# Allegro board FPGA-FINAL.brd
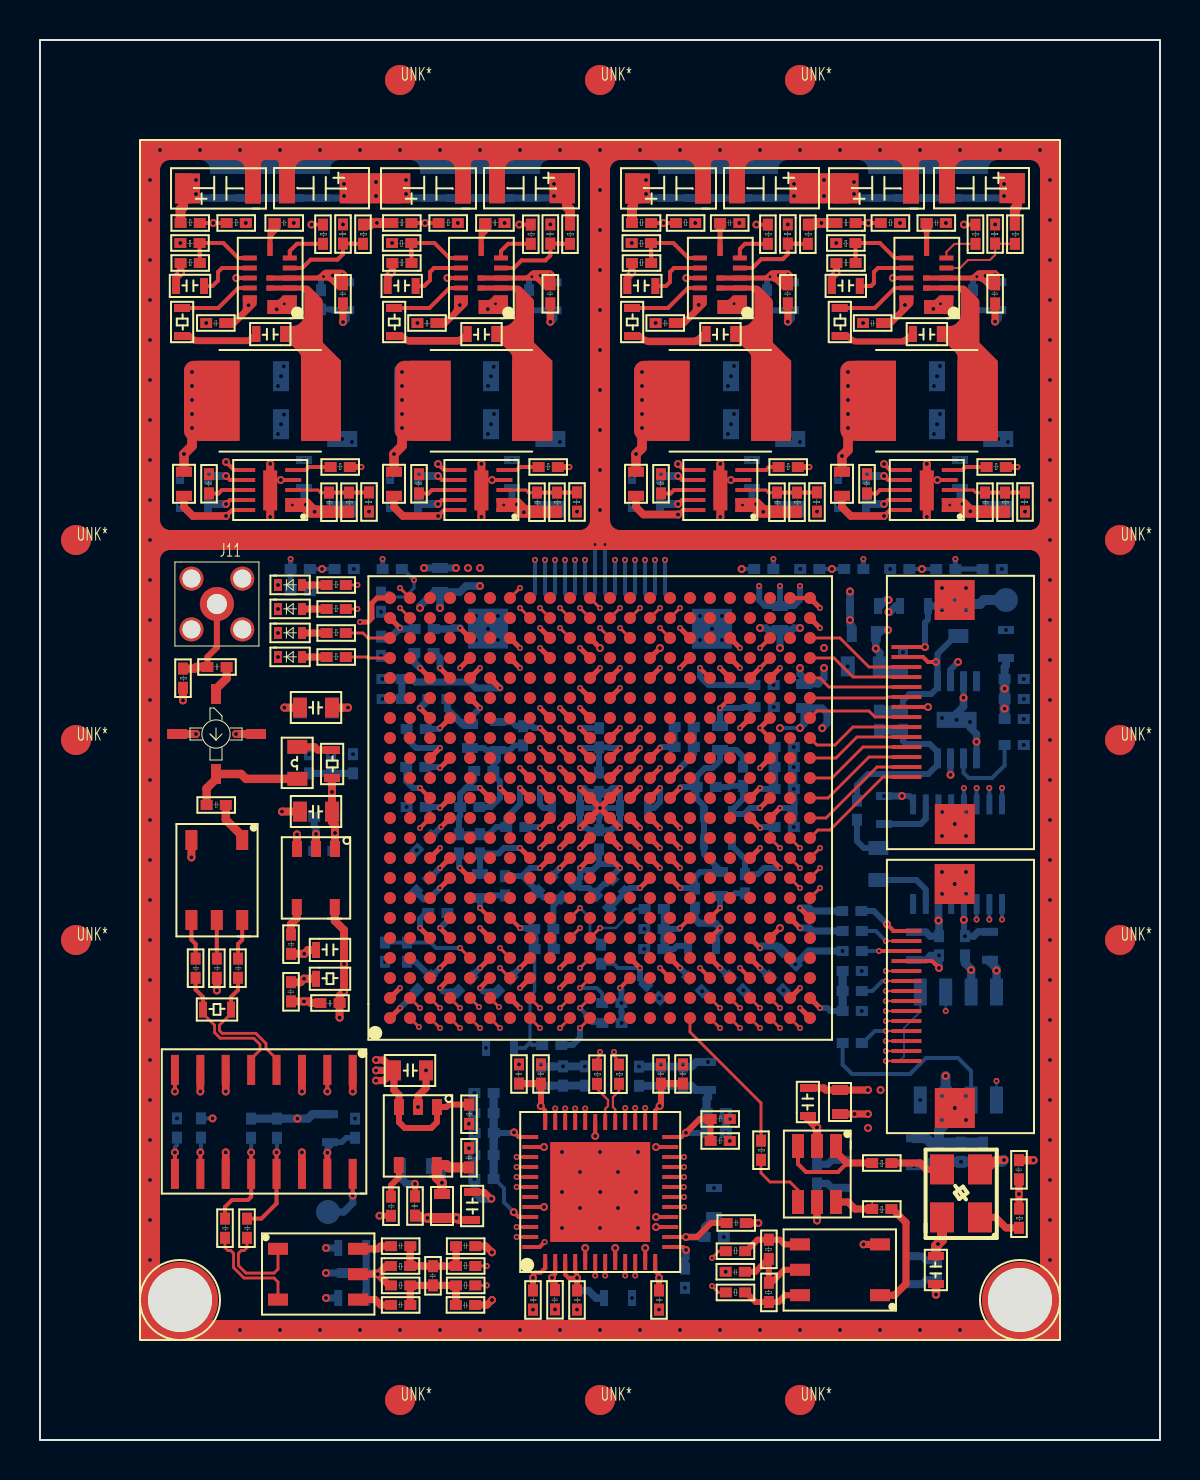
[diagram p0: board, top side]
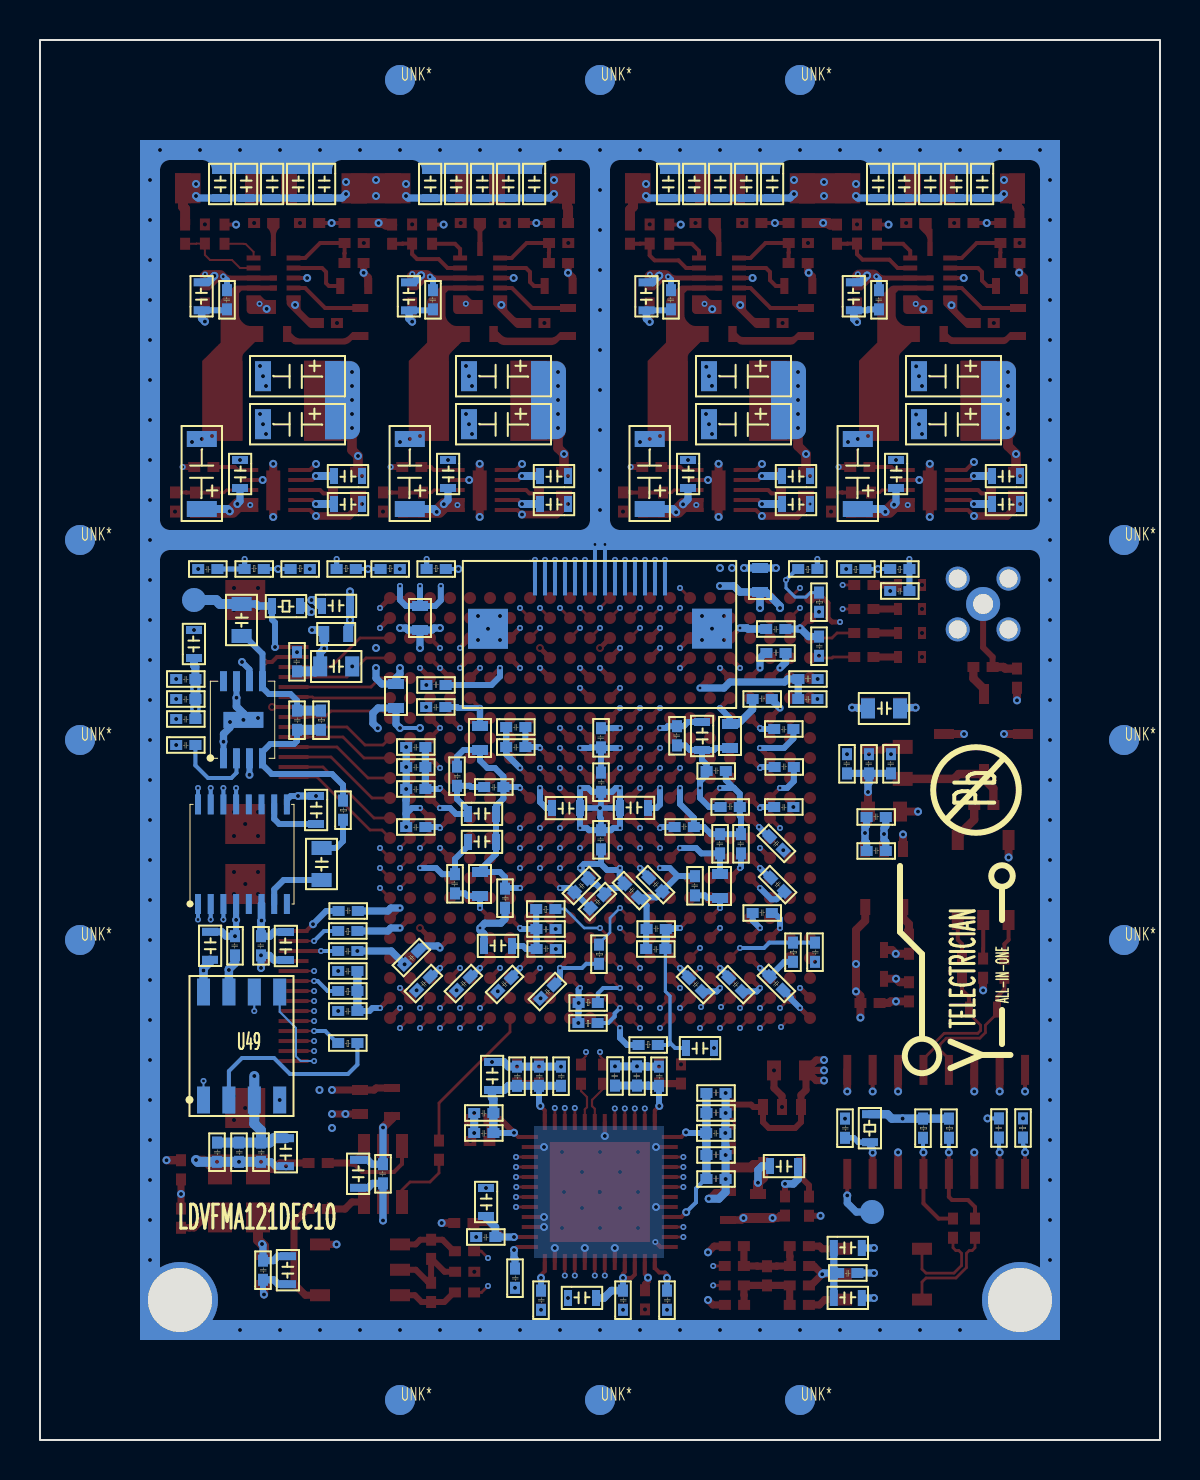
[diagram p1: board, bottom side, seen from below]

Outline 56 x 70 mm; copper layers: TOP, GND-L2, SIGNAL-L3, SIGNAL-L4, GND-L5, PWR-L6, SIGNAL-L7, SIGNAL-L8, GND-L9, BOTTOM. Coordinates in mm from the lower left corner of the outline.
Outline path: rectangle 0,0 56,70

## Design rules (mm)
constraint set DEFAULT: min track width 0.1
net group AD_CLKN: nets AD_CLKN CLKO-
net group AD_CLKP: nets AD_CLKP CLKO+
net group AIN: nets AIN+ AIN-
net group CLK2FPGA: nets CLK2FPGA N7587007
net group DATA0: nets DATA0 N7454523
net group ENC: nets ENC+ ENC-
net group LED1: nets LED1 N7455499
net group LED2: nets LED2 N7455557
net group LED3: nets LED3 N7921484
net group LED4: nets LED4 N9038018
net group N7578107: nets N7578107 N7578654
net group N7586496: nets N7586496 N7586806
net group N7587454: nets N7587454 N7587591
net group N8196950: nets N8196950 N8196956
net group N8197004: nets N8197004 N8197018
net group N8197074: nets N8197074 N8197078
net group N8197176: nets N8197176 N8197194
net group N8197218: nets N8197218 N8197222
net group N8197320: nets N8197320 N8197338
net group N8197362: nets N8197362 N8197366
net group N8197464: nets N8197464 N8197482
net group RSSI: nets N7580738 RSSI
net group SOUTN: nets N7579488 SOUTN
net group SOUTP: nets N7579492 SOUTP
net group TIN: nets TINN TINP
net group AUDIO_OUT: nets AUDIO_OUT N7424382 N7424390 N7424654 N7424662
net group MG_I2S: nets AD0 AD1 AD2 AD3 AD4 AD5 AD6 AD7 AD8 AD9 AD10 AD11 AD12 AD13 AD14 AD15
net group N7578935: nets N7578935 N7579108 N7579398
net group N7587990: nets N7587990 N7588005 N7588017
net group NG1: nets A_FMT A_MUTE I2S_SCK
net group NG_BANK: nets FPGA_SPI_MISO FPGA_UART2_RXD FPGA_UART_TXD
net group VCOM: nets N7581273 N7581277 N7581373 N7581387 VCOM

## Placement (name value [footprint] x y rotation side)
A1  -  [ERA-2SM]  8.8 35.3 270 top
C61  22uF/50V  [C1206]  10.5 63.37 180 top
C62  22uF/50V  [C1206]  12.5 61.8 0 top
C63  22uF/50V  [C1206]  21 63.37 180 top
C64  22uF/50V  [C1206]  23 61.8 0 top
C65  22uF/50V  [C1206]  33 63.37 180 top
C66  22uF/50V  [C1206]  35 61.8 0 top
C67  22uF/50V  [C1206]  43.4 63.37 180 top
C68  22uF/50V  [C1206]  45.5 61.8 0 top
C69  15nF  [C0402]  12.7 61.1 180 top
C70  15nF  [C0402]  23.24 61.1 180 top
C71  15nF  [C0402]  34.98 61.1 180 top
C72  15nF  [C0402]  45.3 61.1 180 top
C75  100pF  [C0603]  6.7 57.3 0 top
C76  150pF  [C0603]  17.28 57.3 0 top
C77  100pF  [C0603]  29.27 57.3 0 top
C78  100pF  [C0603]  39.49 57.3 0 top
C79  0.1uF/50V  [C0402]  14.9 57.8 270 top
C80  0.1uF/50V  [C0402]  25.27 57.8 270 top
C81  0.1uF/50V  [C0402]  37.14 57.8 270 top
C82  0.1uF/50V  [C0402]  47.51 57.8 270 top
C84  1uF  [C0402]  8.3 55.6 0 top
C85  1uF  [C0402]  18.86 55.6 0 top
C86  1uF  [C0402]  30.77 55.6 0 top
C87  1uF  [C0402]  41.14 55.6 0 top
C88  0.1uF  [C0603]  12.31 55.7 180 top
C89  0.1uF  [C0603]  22.88 55.7 180 top
C90  0.1uF  [C0603]  34.82 55.7 180 top
C91  0.1uF  [C0603]  45.15 55.7 180 top
C103  22uF  [C1206]  11.9 52.4 180 bottom
C104  22uF  [C1206]  22.4 50 180 bottom
C105  22uF  [C1206]  34.4 50 180 bottom
C106  22uF  [C1206]  44.7 52.4 180 bottom
C115  22uF  [C1206]  11.9 50 180 bottom
C120  22uF  [C1206]  44.7 50 180 bottom
C124  22uF  [C1206]  22.4 52.4 180 bottom
C125  22uF  [C1206]  34.4 52.4 180 bottom
C126  10uF  [C0603]  6.9 48.6 0 bottom
C127  10uF  [C0603]  17.4 47.2 0 bottom
C128  10uF  [C0603]  29.5 47.2 0 bottom
C129  10uF  [C0603]  39.8 47.2 0 bottom
C131  10uF  [C0603]  17.4 48.6 0 bottom
C133  10uF  [C0603]  29.5 48.6 0 bottom
C135  10uF  [C0603]  39.8 48.6 0 bottom
C140  10uF  [C0805]  45.3 40 90 bottom
C143  0.1uF  [C0402]  9.34 38.9 180 top
C144  0.1uF  [C0402]  42.9 35.5 90 bottom
C145  0.1uF  [C0402]  13.7 31.4 0 bottom
C146  0.1uF  [C0402]  14.8 34.3 270 bottom
C147  0.1uF  [C0402]  15.9 34.3 270 bottom
C148  10uF  [C0805]  12.8 30.8 0 top
C149  0.1uF  [C0402]  9.3 32 180 top
C150  0.1uF  [C0402]  13.7 34.3 270 bottom
C151  0.1uF  [C0402]  49.2 34.5 180 bottom
C152  10uF  [C0805]  41.3 27.8 90 bottom
C164  0.01uF  [C0402]  12.8 24.3 90 top
C165  10uF  [C0603]  13.7 24.1 0 top
C171  0.01uF  [C0402]  8.03 23.1 90 top
C172  0.01uF  [C0402]  9.09 23.1 90 top
C173  0.01uF  [C0402]  10.15 23.1 90 top
C175  0.01uF  [C0402]  12.3 22.9 270 top
C184  0.1uF  [C0402]  14.01 21.6 0 top
C186  10uF  [C0603]  42.6 32.3 270 bottom
C191  10uF  [C0603]  38.8 16.1 90 top
C192  0.1uF  [C0402]  19.7 40.3 180 bottom
C193  0.1uF  [C0402]  44.6 8 90 bottom
C198  0.1uF  [C0402]  41.1 23.2 180 bottom
C199  0.1uF  [C0402]  46.5 25.2 270 bottom
C200  10uF  [C0805]  19.5 19.1 180 top
C201  0.1uF  [C0402]  21.7 15.8 90 top
C202  0.1uF  [C0402]  37.7 34.4 180 bottom
C204  10uF  [C0603]  45.2 7.7 90 top
C205  10uF  [C0603]  47.9 25.51 270 bottom
C206  0.1uF  [C0402]  48.7 14 270 top
C207  10uF  [C0603]  18 14.1 0 bottom
C208  0.1uF  [C0402]  21.2 30.3 270 bottom
C209  0.1uF  [C0402]  27.5 18.69 270 bottom
C210  0.1uF  [C0402]  39.1 13.8 270 bottom
C211  0.01uF  [C0402]  17.8 11.2 90 top
C212  0.1uF  [C0402]  21.2 14.6 270 top
C213  0.1uF  [C0402]  18.5 12.19 270 top
C214  10uF  [C0603]  21.2 12.5 270 top
C215  0.01uF  [C0402]  9.5 10.1 90 top
C216  0.01uF  [C0402]  10.6 10.1 90 top
C217  0.1uF  [C0402]  16.8 39.2 90 bottom
C218  0.1uF  [C0402]  24.9 6.51 90 top
C219  1uF  [C0402]  18.52 9.94 180 top
C220  8.2pF  [C0402]  21.77 9.94 180 top
C221  0.1uF  [C0402]  34.27 8.16 0 top
C222  8.2pF  [C0402]  19.4 8.7 270 top
C242  2.2uF  [C0402]  25.5 7.5 270 top
C243  1uF  [C0402]  18.52 7 180 top
C244  8.2pF  [C0402]  20.78 6.5 0 top
C364  0.1uF/50V  [C0603]  46.1 63.6 270 bottom
C365  0.1uF/50V  [C0603]  47.4 63.6 270 bottom
C366  0.1uF/50V  [C0603]  11.9 63.6 270 bottom
C367  0.1uF/50V  [C0603]  22.4 63.6 270 bottom
C368  0.1uF/50V  [C0603]  21.1 63.6 270 bottom
C369  0.1uF/50V  [C0603]  19.8 63.6 270 bottom
C370  0.1uF/25V  [C0603]  10.6 63.6 270 bottom
C371  0.1uF/25V  [C0603]  9.3 63.6 270 bottom
C372  0.1uF/25V  [C0603]  47.52 56.39 90 bottom
C373  0.1uF/25V  [C0603]  37.15 56.38 90 bottom
C374  0.1uF/25V  [C0603]  25.27 56.38 90 bottom
C375  0.1uF/25V  [C0603]  14.91 56.39 90 bottom
C376  0.1uF/50V  [C0603]  14.5 63.6 270 bottom
C377  0.1uF/50V  [C0603]  31.7 63.6 270 bottom
C378  0.1uF/50V  [C0603]  33 63.6 270 bottom
C379  0.1uF/50V  [C0603]  36.9 63.6 270 bottom
C380  0.1uF/50V  [C0603]  35.6 63.6 270 bottom
C381  0.1uF/50V  [C0603]  34.3 63.6 270 bottom
C382  0.1uF/50V  [C0603]  23.7 63.6 270 bottom
C383  0.1uF/50V  [C0603]  25 63.6 270 bottom
C384  0.1uF/50V  [C0603]  13.2 63.6 270 bottom
C385  0.1uF/50V  [C0603]  42.2 63.6 270 bottom
C386  0.1uF/50V  [C0603]  43.5 63.6 270 bottom
C387  0.1uF/50V  [C0603]  44.8 63.6 270 bottom
C463  10uF  [C0603]  28.9 32 0 bottom
C464  10uF  [C0603]  43.3 13.59 90 bottom
C465  10uF  [C0603]  33.8 19 270 bottom
C468  10uF  [C0603]  42 41.3 180 bottom
C469  10uF  [C0603]  27.1 31.2 180 bottom
C470  0.1uF  [C0402]  21.71 14.5 0 bottom
C471  0.1uF  [C0402]  31.9 17.7 90 bottom
C473  0.1uF  [C0402]  17.11 38.3 0 bottom
C474  10uF  [C0603]  22.2 20 0 bottom
C478  0.1uF  [C0402]  21.71 17.6 0 bottom
C480  0.1uF  [C0402]  13.7 29.7 0 bottom
C481  0.1uF  [C0402]  34.3 16.1 180 bottom
C482  0.1uF  [C0402]  35.71 38 0 bottom
C483  0.1uF  [C0402]  18.1 36.8 180 bottom
C484  0.1uF  [C0402]  41.1 24.2 180 bottom
C485  0.1uF  [C0402]  36.7 36.4 180 bottom
C486  0.1uF  [C0402]  33.8 32.4 180 bottom
C490  0.1uF  [C0402]  19.4 37.3 0 bottom
C491  0.1uF  [C0402]  49.2 35.8 180 bottom
C498  0.1uF  [C0402]  32.6 23.3 315 bottom
C499  0.1uF  [C0402]  24.7 27.6 45 bottom
C500  0.1uF  [C0402]  21.71 13.3 0 bottom
C501  0.1uF  [C0402]  29.1 27.2 135 bottom
C502  0.1uF  [C0402]  23.3 30.9 0 bottom
C505  0.1uF  [C0402]  13.5 42.2 180 bottom
C506  0.1uF  [C0402]  34.9 32.7 90 bottom
C507  0.1uF  [C0402]  49.2 36.8 180 bottom
C508  0.1uF  [C0402]  49.2 37.8 180 bottom
C510  0.1uF  [C0402]  21.71 16.6 0 bottom
C511  0.1uF  [C0402]  32.5 26.6 90 bottom
C512  0.1uF  [C0402]  37.7 33.4 180 bottom
C514  0.1uF  [C0402]  25.9 27.3 45 bottom
C516  10uF  [C0603]  34.7 30.9 180 bottom
C517  10uF  [C0603]  23.3 36 270 bottom
C519  0.1uF  [C0402]  44.7 13.9 90 bottom
C520  0.1uF  [C0402]  27.7 32.4 90 bottom
C521  0.1uF  [C0402]  22.7 22.6 45 bottom
C523  0.1uF  [C0402]  30.8 21.9 135 bottom
C524  0.1uF  [C0402]  46.9 13.9 90 bottom
C526  0.1uF  [C0402]  28.2 35.6 270 bottom
C530  10uF  [C0603]  34.7 29.5 180 bottom
C533  0.1uF  [C0402]  35 22.3 135 bottom
C534  0.1uF  [C0402]  24.4 35.7 270 bottom
C540  10uF  [C0603]  47.9 39 90 bottom
C541  0.1uF  [C0402]  43.4 39.4 270 bottom
C544  0.1uF  [C0402]  45.8 13.9 90 bottom
C545  0.1uF  [C0402]  37 22.3 135 bottom
C548  0.1uF  [C0402]  22.25 30.3 270 bottom
C549  0.1uF  [C0402]  40.1 26.7 0 bottom
C550  0.1uF  [C0402]  21 31.9 0 bottom
C551  10uF  [C0603]  43.3 23.9 90 bottom
C552  0.1uF  [C0402]  45.2 25.2 270 bottom
C554  0.1uF  [C0402]  32.7 35.4 180 bottom
C555  0.1uF  [C0402]  28.3 26.4 135 bottom
C556  0.1uF  [C0402]  28.2 30.5 270 bottom
C557  0.1uF  [C0402]  21.7 33.7 0 bottom
C558  0.1uF  [C0402]  32.7 34.4 180 bottom
C559  0.1uF  [C0402]  37.6 23.6 135 bottom
C561  0.1uF  [C0402]  48.1 43.3 180 bottom
C562  0.1uF  [C0402]  20.7 22.6 45 bottom
C563  0.1uF  [C0402]  35.5 28.3 270 bottom
C564  0.1uF  [C0402]  31.19 25.3 180 bottom
C565  0.1uF  [C0402]  24.7 25.8 0 bottom
C575  10uF  [C0603]  33.9 24.3 180 bottom
C577  0.1uF  [C0402]  23.5 28.2 270 bottom
C578  0.1uF  [C0402]  30.2 24.8 0 bottom
C579  0.1uF  [C0402]  25.7 24.3 180 bottom
C580  0.1uF  [C0402]  26.4 18.69 270 bottom
C581  0.1uF  [C0402]  41.1 21.2 180 bottom
C582  0.1uF  [C0402]  19.7 23 225 bottom
C583  0.1uF  [C0402]  24.8 17.7 90 bottom
C584  0.1uF  [C0402]  22.7 15.1 180 bottom
C585  0.1uF  [C0402]  29.7 17.7 90 bottom
C586  0.1uF  [C0402]  30.8 17.7 90 bottom
C587  0.1uF  [C0402]  19.7 30 225 bottom
C588  0.1uF  [C0402]  19.3 31.4 180 bottom
C589  0.1uF  [C0402]  17 23.9 90 bottom
C593  0.1uF  [C0402]  19.3 35.3 180 bottom
C597  0.1uF  [C0402]  37.7 32.3 180 bottom
C598  0.1uF  [C0402]  37.7 30.4 180 bottom
C599  0.1uF  [C0402]  18.3 33.9 0 bottom
C602  0.1uF  [C0402]  18.6 27.6 45 bottom
C604  0.1uF  [C0402]  15.5 15.1 90 bottom
C605  33pF  [C0402]  8.3 16.09 270 bottom
C608  0.1uF  [C0402]  34.3 15.1 180 bottom
C612  0.1uF  [C0402]  19.4 26.6 0 bottom
C613  0.1uF  [C0402]  35.3 11.1 180 top
C614  0.1uF  [C0402]  18.71 39.6 0 bottom
C615  10uF  [C0603]  16.41 9.2 180 bottom
C616  0.1uF  [C0402]  30.7 6.5 90 bottom
C617  2.2uF  [C0402]  16.1 8.1 180 bottom
C637  0.1uF  [C0402]  26.6 6.5 90 bottom
C638  0.1uF  [C0402]  24.4 6.5 90 bottom
C639  0.1uF  [C0402]  31.2 6.51 90 top
C640  0.1uF  [C0402]  27.1 6.51 90 top
C641  10uF  [C0603]  16.41 6.7 180 bottom
C642  10uF  [C0805]  40.19 39.3 0 bottom
C643  0.1uF  [C0402]  41.1 48.3 270 top
C644  10nF  [C0402]  47.5 46.4 90 top
C645  22uF  [C1206]  48.7 49.9 270 bottom
C646  0.1uF  [C0603]  46.4 49.1 270 bottom
C647  22uF  [C1206]  38.3 49.9 270 bottom
C648  0.1uF  [C0603]  36 49.1 270 bottom
C649  10nF  [C0402]  37.1 46.4 90 top
C650  0.1uF  [C0402]  30.8 48.3 270 top
C651  22uF  [C1206]  26.3 49.9 270 bottom
C652  0.1uF  [C0603]  24 49.1 270 bottom
C653  10nF  [C0402]  25.1 46.4 90 top
C654  0.1uF  [C0402]  18.7 48.3 270 top
C655  22uF  [C1206]  15.9 49.9 270 bottom
C656  0.1uF  [C0603]  13.6 49.1 270 bottom
C657  10nF  [C0402]  14.7 46.4 90 top
C658  0.1uF  [C0402]  8.2 48.3 270 top
C659  10uF  [C0603]  6.9 47.2 0 bottom
C660  0.1uF  [C0402]  32 7.6 90 bottom
C661  0.1uF  [C0402]  34.2 9.9 180 bottom
C662  1uF  [C0603]  43.2 7.69 90 bottom
C663  1uF  [C0603]  40.5 14.11 270 bottom
C664  10uF  [C0805]  12.8 36 0 top
C665  10uF  [C0805]  12.8 37.2 0 bottom
C666  0.1uF  [C0402]  30.8 18.79 270 top
C667  0.1uF  [C0402]  24.8 18.79 270 top
C668  0.1uF  [C0402]  23.7 18.79 270 top
C669  0.1uF  [C0402]  31.9 18.79 270 top
C670  0.1uF  [C0402]  34.5 15.2 180 top
C671  0.1uF  [C0402]  34.5 16.3 180 top
C672  10uF  [C0603]  29.7 6.7 180 bottom
C673  10uF  [C0603]  34.1 12.7 270 bottom
C674  0.1uF  [C0402]  14.3 57.5 270 bottom
C675  0.1uF  [C0402]  24.7 57.5 270 bottom
C676  0.1uF  [C0402]  36.6 57.5 270 bottom
C677  0.1uF  [C0402]  46.9 57.5 270 bottom
D11  LED  [LED0402]  12 42.5 0 top
D12  LED  [LED0402]  12 40.1 0 top
D13  LED  [LED0402]  12 41.3 0 top
D14  LED  [LED0402]  12 38.9 0 top
J9  FPC-14P-0.5  [FPC-14P-0D5]  46.8 22.2 90 top
J10  FPC-14P-0.5  [FPC-14P-0D5]  46.8 36.4 90 top
J11  SMA-CONNECTOR  [SMA]  8.85 41.8 0 top
J12  FPC-14P-0.5  [FPC-14P-0D5]  28 39.5 180 bottom
L7  4.7uH/2A  [CD54-IND-2P]  14.05 54.5 180 top
L8  4.7uH/2A  [CD54-IND-2P]  24.61 54.5 180 top
L9  2.2uH/2A  [CD54-IND-2P]  36.55 54.5 180 top
L10  2.2uH/2A  [CD54-IND-2P]  46.88 54.5 180 top
L13  BLM18SP102SN1D  [FB0603]  6.8 48.61 270 top
L14  BLM18SP102SN1D  [FB0603]  17.3 48.61 270 top
L15  BLM18SP102SN1D  [FB0603]  29.4 48.61 270 top
L16  BLM18SP102SN1D  [FB0603]  39.7 48.61 270 top
L18  BLM18SP102SN1D  [FB0603]  40.39 40.7 0 bottom
L19  1uH/100mA  [L0805]  13.48 32.86 90 top
L21  BLM18SP102SN1D  [FB0603]  39.6 17.7 270 top
L22  BLM18SP102SN1D  [FB0603]  19.7 12.5 270 top
L35  BLM18SP102SN1D  [FB0603]  37.8 36.4 90 bottom
L36  BLM18SP102SN1D  [FB0603]  20.4 43.8 270 bottom
L37  BLM18SP102SN1D  [FB0603]  37.4 41.9 270 bottom
L38  BLM18SP102SN1D  [FB0603]  34.4 35.9 270 bottom
L39  BLM18SP102SN1D  [FB0603]  21.9 36 270 bottom
L40  BLM18SP102SN1D  [FB0603]  33.6 27 90 bottom
L41  BLM18SP102SN1D  [FB0603]  21.6 26.9 90 bottom
NOREF  -  []  39.67 19.46 90 top
NOREF#2  -  []  33.01 36.78 0 top
NOREF#3  -  []  38.46 45.96 0 top
NOREF#4  -  []  8.44 59.46 90 top
NOREF#5  -  []  13.66 59.55 0 top
NOREF#6  -  []  45.06 59.68 90 top
NOREF#7  -  []  37.24 45.95 90 top
NOREF#8  -  []  16.41 7.51 0 top
NOREF#9  -  []  47.83 17 90 top
NOREF#10  -  []  16.86 21.85 90 top
NOREF#11  -  []  24.19 63.6 90 top
NOREF#12  -  []  37.6 50 90 top
NOREF#13  -  []  28.3 22.71 0 top
NOREF#14  -  []  23 60.2 90 top
NOREF#15  -  []  14.8 36 90 top
NOREF#16  -  []  27.66 21.24 90 top
NOREF#17  -  []  39.59 55.1 0 top
NOREF#18  -  []  18.69 8.52 0 top
NOREF#19  -  []  19.9 8.23 0 top
NOREF#20  -  []  44.35 42.38 0 top
NOREF#21  -  []  37 56.37 90 top
NOREF#22  -  []  27.9 46.39 90 top
NOREF#23  -  []  20.88 11.72 90 top
NOREF#24  -  []  27.46 19.23 0 top
NOREF#25  -  []  12.39 63.6 90 top
NOREF#26  -  []  26.46 4.45 90 top
NOREF#27  -  []  12.79 47.5 90 top
NOREF#28  -  []  27.24 6.06 90 top
NOREF#29  -  []  24.65 18.58 0 top
NOREF#30  -  []  43.3 41.25 0 top
NOREF#31  -  []  15.48 32.86 90 top
NOREF#32  -  []  46.08 44.35 0 top
NOREF#33  -  []  45.59 47.5 90 top
NOREF#34  -  []  35.95 43.16 90 top
NOREF#35  -  []  43.3 40 90 top
NOREF#36  -  []  27.01 19.72 0 top
NOREF#37  -  []  23.56 17.36 90 top
NOREF#38  -  []  43.71 42.1 90 top
NOREF#39  -  []  30.66 46.87 90 top
NOREF#40  -  []  18.95 32.04 0 top
NOREF#41  -  []  25.82 31.59 0 top
NOREF#42  -  []  8.05 21.93 0 top
NOREF#43  -  []  42.69 62 90 top
NOREF#44  -  []  11.9 51.6 0 top
NOREF#45  -  []  42.84 57.68 90 top
NOREF#46  -  []  47.09 40.6 0 top
NOREF#47  -  []  21.81 61.24 0 top
NOREF#48  -  []  48.64 45.95 90 top
NOREF#49  -  []  23.76 37.75 0 top
NOREF#50  -  []  29.27 58.11 0 top
NOREF#51  -  []  26.46 4.45 0 top
NOREF#52  -  []  45.92 56.39 90 top
NOREF#53  -  []  26.86 17.26 0 top
NOREF#54  -  []  19.7 10.9 0 top
NOREF#55  -  []  23.7 17.39 90 top
NOREF#56  -  []  39.75 33.26 90 top
NOREF#57  -  []  37.46 47.83 0 top
NOREF#58  -  []  28.56 19.23 0 top
NOREF#59  -  []  44.1 8.2 0 top
NOREF#60  -  []  14.56 29.9 90 top
NOREF#61  -  []  12 14.01 0 top
NOREF#62  -  []  46.76 11.85 90 top
NOREF#63  -  []  45.66 11.85 90 top
NOREF#64  -  []  44.56 27.25 0 top
NOREF#65  -  []  36.3 29.5 90 top
NOREF#66  -  []  33.66 37.36 90 top
NOREF#67  -  []  39.59 40.7 90 top
NOREF#68  -  []  10.75 33.71 0 top
NOREF#69  -  []  10.5 64.97 0 top
NOREF#70  -  []  18.9 16.65 0 top
NOREF#71  -  []  32.62 57.68 90 top
NOREF#72  -  []  0 70 0 top
NOREF#73  -  []  22.89 65.2 0 top
NOREF#74  -  []  15.9 46.7 90 top
NOREF#75  -  []  21.39 20 90 top
NOREF#76  -  []  39.74 58.71 90 top
NOREF#77  -  []  34.4 25.4 90 top
NOREF#78  -  []  10.8 14.01 0 top
NOREF#79  -  []  20.92 14.71 0 top
NOREF#80  -  []  30.66 46.87 0 top
NOREF#81  -  []  34.4 51.6 0 top
NOREF#82  -  []  45.86 23.77 0 top
NOREF#83  -  []  41.39 62 90 top
NOREF#84  -  []  26.46 45.96 0 top
NOREF#85  -  []  5 65 0 top
NOREF#86  -  []  15.7 14.79 90 top
NOREF#87  -  []  8.17 57.68 0 top
NOREF#88  -  []  19.8 60.2 0 top
NOREF#89  -  []  17.02 10.11 0 top
NOREF#90  -  []  8.2 15.62 90 top
NOREF#91  -  []  24.66 17.36 90 top
NOREF#92  -  []  18.83 30.3 0 top
NOREF#93  -  []  13.87 42.36 90 top
NOREF#94  -  []  21.39 21.6 0 top
NOREF#95  -  []  40.6 34.41 90 top
NOREF#96  -  []  32.36 24.55 90 top
NOREF#97  -  []  20.57 8.52 90 top
NOREF#98  -  []  18.31 24.22 0 top
NOREF#99  -  []  33.49 62 90 top
NOREF#100  -  []  14.44 57.67 90 top
NOREF#101  -  []  44.11 22.3 90 top
NOREF#102  -  []  15.47 37.98 0 top
NOREF#103  -  []  22.21 6.36 90 top
NOREF#104  -  []  9.64 9.65 90 top
NOREF#105  -  []  15.72 56.39 90 top
NOREF#106  -  []  6.8 49.41 0 top
NOREF#107  -  []  35.95 43.94 0 top
NOREF#108  -  []  35 60.2 90 top
NOREF#109  -  []  45.73 16.2 0 top
NOREF#110  -  []  5 5 90 top
NOREF#111  -  []  28.6 17.39 90 top
NOREF#112  -  []  6.32 15.62 0 top
NOREF#113  -  []  16.66 36.88 0 top
NOREF#114  -  []  43.55 54.89 0 top
NOREF#115  -  []  38.24 45.95 90 top
NOREF#116  -  []  17.19 12.5 90 top
NOREF#117  -  []  41.4 47.79 90 top
NOREF#118  -  []  48.56 12.03 0 top
NOREF#119  -  []  19.66 15.96 90 top
NOREF#120  -  []  42.55 27.8 90 top
NOREF#121  -  []  44.7 54 0 top
NOREF#122  -  []  27.01 19.72 90 top
NOREF#123  -  []  35.85 32.26 90 top
NOREF#124  -  []  46.08 44.35 90 top
NOREF#125  -  []  21.07 59.68 0 top
NOREF#126  -  []  14.76 56.37 0 top
NOREF#127  -  []  47.77 39.22 0 top
NOREF#128  -  []  31.3 6.7 90 top
NOREF#129  -  []  30.01 55.1 90 top
NOREF#130  -  []  43.99 65.2 0 top
NOREF#131  -  []  36.27 34.26 90 top
NOREF#132  -  []  17.5 58.71 90 top
NOREF#133  -  []  8.49 62 90 top
NOREF#134  -  []  43.2 6.09 0 top
NOREF#135  -  []  21.94 6.56 0 top
NOREF#136  -  []  33.82 8.02 0 top
NOREF#137  -  []  49.34 10.15 90 top
NOREF#138  -  []  35.19 47.5 0 top
NOREF#139  -  []  36.47 49.04 0 top
NOREF#140  -  []  7.91 38.26 90 top
NOREF#141  -  []  17.3 55.1 0 top
NOREF#142  -  []  16.04 32.87 90 top
NOREF#143  -  []  40.63 20.1 90 top
NOREF#144  -  []  23.48 4.46 90 top
NOREF#145  -  []  9.79 62 90 top
NOREF#146  -  []  39.59 42.3 0 top
NOREF#147  -  []  21.1 36 90 top
NOREF#148  -  []  7.87 32.14 0 top
NOREF#149  -  []  30.66 17.36 90 top
NOREF#150  -  []  30.18 22.71 90 top
NOREF#151  -  []  8.4 48.61 90 top
NOREF#152  -  []  46.76 11.85 0 top
NOREF#153  -  []  44.56 11.85 0 top
NOREF#154  -  []  34.47 14.96 0 top
NOREF#155  -  []  45.24 5.95 0 top
NOREF#156  -  []  38.57 9.55 90 top
NOREF#157  -  []  18.83 30.3 90 top
NOREF#158  -  []  38.46 12.37 0 top
NOREF#159  -  []  20.83 36.66 90 top
NOREF#160  -  []  15.3 22.66 90 top
NOREF#161  -  []  18.15 7.96 90 top
NOREF#162  -  []  22.89 63.6 90 top
NOREF#163  -  []  33.22 54.89 90 top
NOREF#164  -  []  35.54 34.13 90 top
NOREF#165  -  []  36.69 9.55 0 top
NOREF#166  -  []  12.39 65.2 0 top
NOREF#167  -  []  38.3 46.7 90 top
NOREF#168  -  []  49.88 60.32 90 top
NOREF#169  -  []  31.76 17.36 90 top
NOREF#170  -  []  23.14 16.18 90 top
NOREF#171  -  []  21.75 40.94 90 top
NOREF#172  -  []  20.61 31.32 90 top
NOREF#173  -  []  14.91 57.99 0 top
NOREF#174  -  []  31 48.61 90 top
NOREF#175  -  []  8.3 57.3 90 top
NOREF#176  -  []  40.45 43.94 0 top
NOREF#177  -  []  31.1 47.79 90 top
NOREF#178  -  []  21 61.77 90 top
NOREF#179  -  []  33.29 12.7 90 top
NOREF#180  -  []  17.63 42.2 90 top
NOREF#181  -  []  46.02 5.95 90 top
NOREF#182  -  []  33.22 54.89 0 top
NOREF#183  -  []  18.99 62 0 top
NOREF#184  -  []  45.34 25.37 90 top
NOREF#185  -  []  39.51 -2.9 90 top
NOREF#186  -  []  10.05 59.68 90 top
NOREF#187  -  []  31.76 15.65 90 top
NOREF#188  -  []  18.82 29.83 0 top
NOREF#189  -  []  43.87 61.24 0 top
NOREF#190  -  []  37.31 8.27 90 top
NOREF#191  -  []  9.4 15.62 90 top
NOREF#192  -  []  22.8 14.71 90 top
NOREF#193  -  []  35.64 26.87 90 top
NOREF#194  -  []  29.5 47.79 0 top
NOREF#195  -  []  34.82 59.68 90 top
NOREF#196  -  []  25.45 28.41 0 top
NOREF#197  -  []  12.8 37.25 0 top
NOREF#198  -  []  35.27 36.26 90 top
NOREF#199  -  []  20.33 6.36 0 top
NOREF#200  -  []  13.81 45.68 0 top
NOREF#201  -  []  27.65 60.32 90 top
NOREF#202  -  []  33.6 25.4 0 top
NOREF#203  -  []  43.6 41.3 90 top
NOREF#204  -  []  21.15 21.25 90 top
NOREF#205  -  []  22.95 59.68 90 top
NOREF#206  -  []  25.6 52.4 90 top
NOREF#207  -  []  37.8 37.2 0 top
NOREF#208  -  []  18.96 8.31 90 top
NOREF#209  -  []  32.62 59.68 90 top
NOREF#210  -  []  18.56 46.87 90 top
NOREF#211  -  []  44.1 8.2 0 top
NOREF#212  -  []  24.26 4.45 90 top
NOREF#213  -  []  26.24 45.95 90 top
NOREF#214  -  []  50.15 43.16 90 top
NOREF#215  -  []  23.64 26.77 90 top
NOREF#216  -  []  13.7 23.47 0 top
NOREF#217  -  []  39.7 49.41 0 top
NOREF#218  -  []  45.5 60.2 90 top
NOREF#219  -  []  39.69 14.11 90 top
NOREF#220  -  []  18.01 6.7 90 top
NOREF#221  -  []  13.69 62 90 top
NOREF#222  -  []  14.59 43.8 90 top
NOREF#223  -  []  33.07 15.66 90 top
NOREF#224  -  []  22.18 13.72 90 top
NOREF#225  -  []  36.35 20.75 90 top
NOREF#226  -  []  18.69 6.56 0 top
NOREF#227  -  []  41.15 13.46 0 top
NOREF#228  -  []  22.85 29.48 0 top
NOREF#229  -  []  19.87 41.72 0 top
NOREF#230  -  []  22.4 51.6 0 top
NOREF#231  -  []  6.9 46.39 0 top
NOREF#232  -  []  15.7 41.09 90 top
NOREF#233  -  []  36.74 57.67 90 top
NOREF#234  -  []  30.89 62 0 top
NOREF#235  -  []  13.67 42.06 0 top
NOREF#236  -  []  41.2 17.7 90 top
NOREF#237  -  []  46.59 62 0 top
NOREF#238  -  []  37.59 25.62 0 top
NOREF#239  -  []  24.84 57.67 90 top
NOREF#240  -  []  35.7 8.02 90 top
NOREF#241  -  []  43.18 59.68 0 top
NOREF#242  -  []  17.77 54.5 90 top
NOREF#243  -  []  22.39 30.47 90 top
NOREF#244  -  []  20.63 57.68 90 top
NOREF#245  -  []  27.1 32.01 0 top
NOREF#246  -  []  39.69 15.71 0 top
NOREF#247  -  []  37 56.37 0 top
NOREF#248  -  []  31.34 6.06 90 top
NOREF#249  -  []  31.51 15.9 0 top
NOREF#250  -  []  38.19 38.05 0 top
NOREF#251  -  []  20.15 21.89 90 top
NOREF#252  -  []  34.79 65.2 0 top
NOREF#253  -  []  31.76 15.65 0 top
NOREF#254  -  []  36.46 47.83 0 top
NOREF#255  -  []  21.94 7.53 0 top
NOREF#256  -  []  33.87 10.46 90 top
NOREF#257  -  []  30.32 55.46 0 top
NOREF#258  -  []  35.27 36.26 0 top
NOREF#259  -  []  20.29 62 0 top
NOREF#260  -  []  17.6 25.7 90 top
NOREF#261  -  []  13.79 60.32 90 top
NOREF#262  -  []  17.35 37.98 90 top
NOREF#263  -  []  20.61 31.32 0 top
NOREF#264  -  []  36.3 30.9 90 top
NOREF#265  -  []  24.73 29.48 90 top
NOREF#266  -  []  14.06 47.83 0 top
NOREF#267  -  []  41.23 59.46 90 top
NOREF#268  -  []  7.91 39.04 0 top